# Altium PCB ADCS_PCB.PcbDoc (part 1 of 2) (continued)
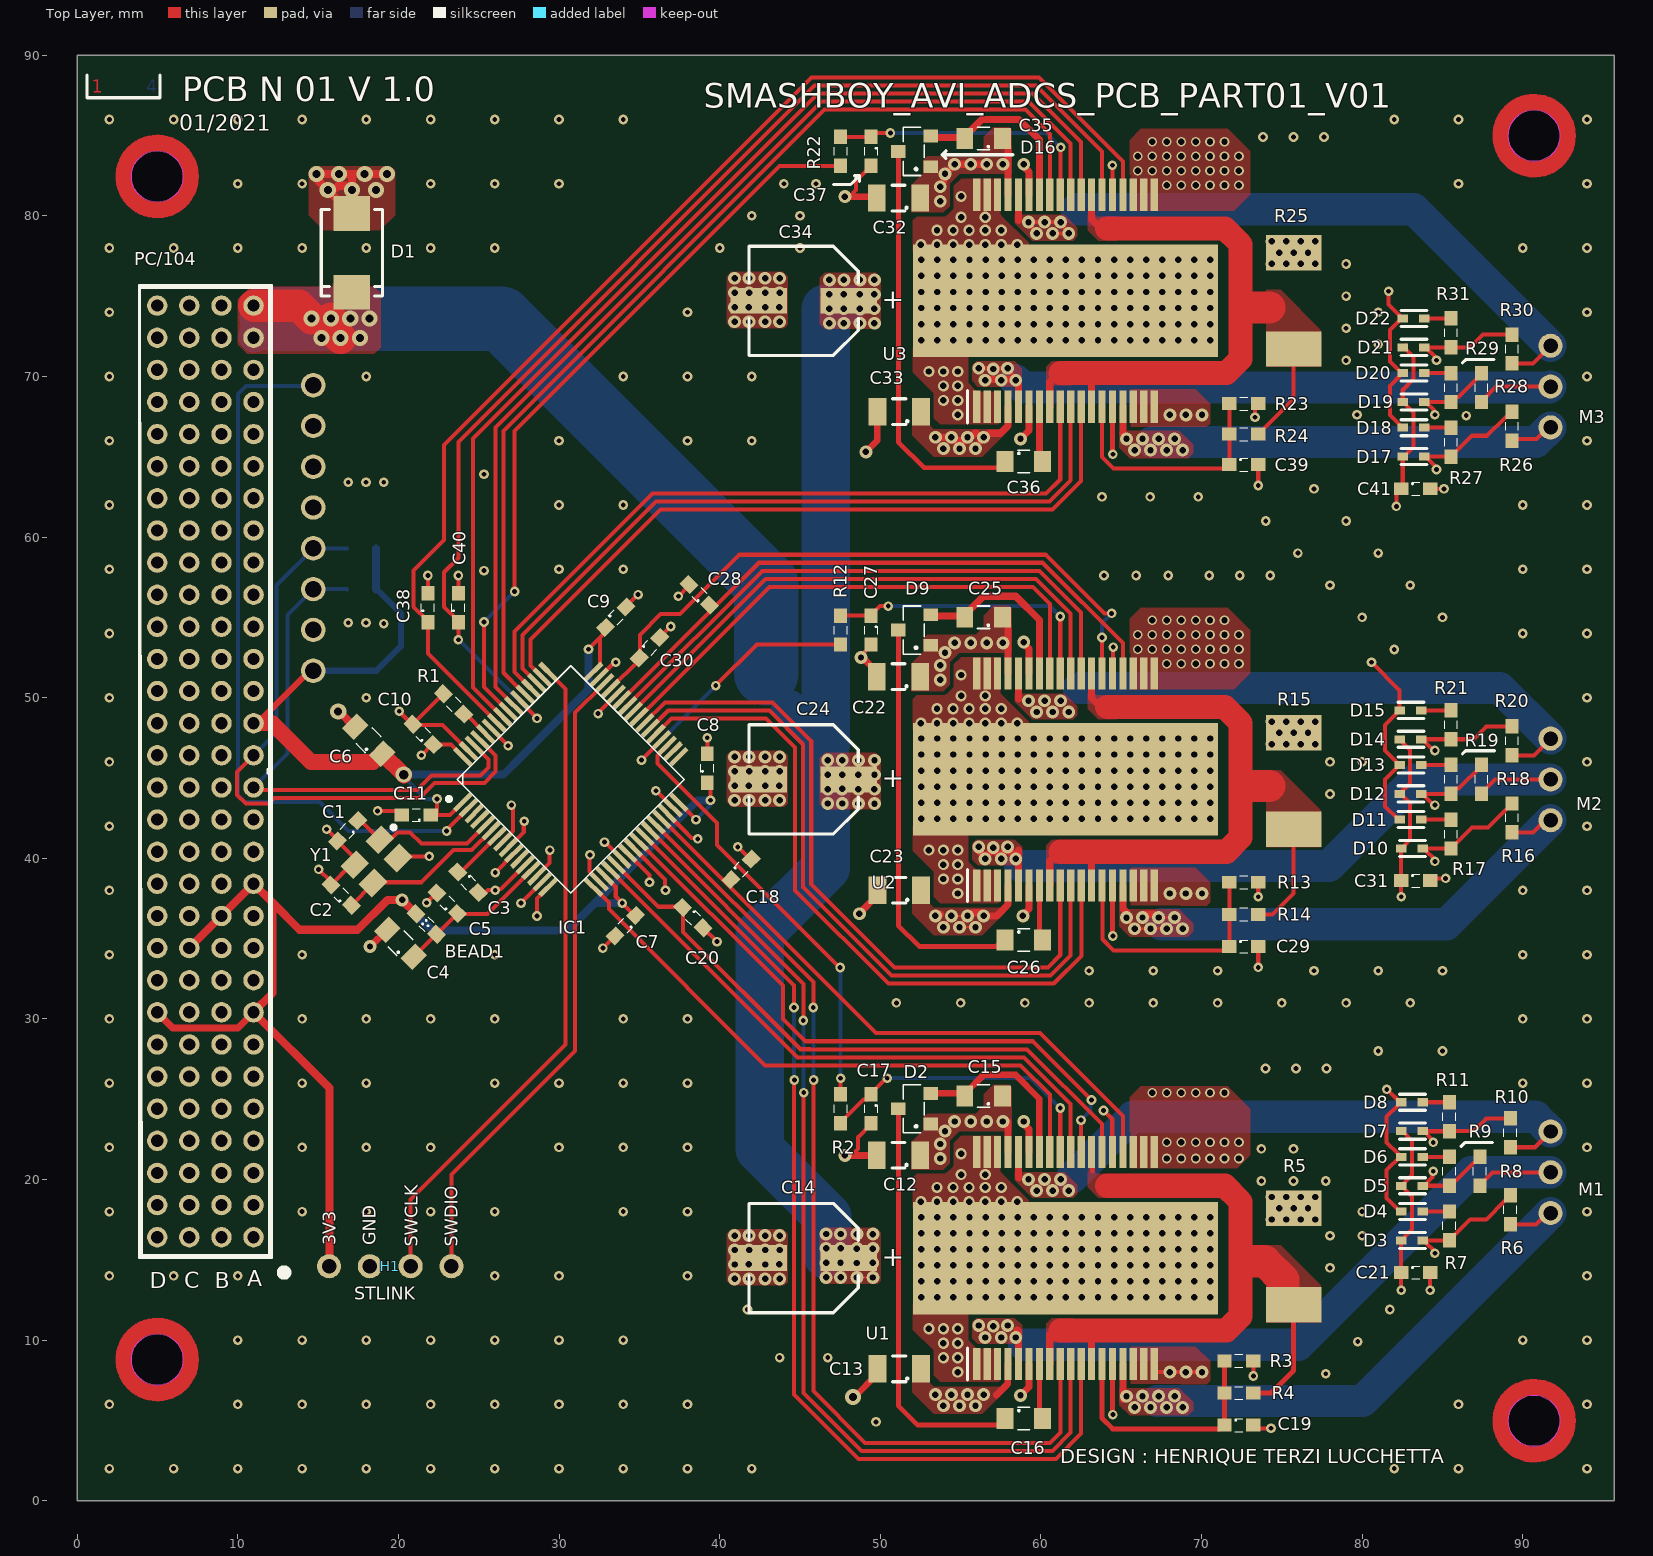
[diagram p0: Top Layer view]
## Footprints (in the part's own frame and the unit in brackets; to place one, negate y for a bottom-side part, rotate by r counter-clockwise, add the part's x,y. Pads: shape width x height; smd on the part's side, far side on the other; paste and mask are expansions set on the pad)
1375799-1 [mm] "PC/104 120 Position  2mm"
  round 1.27 hole 0.762 mask+0: 1(6,0) 2(6,2) 3(6,4) 4(6,6) 5(6,8) 6(6,10) 7(6,12) 8(6,14) 9(6,16) 10(6,18) 11(6,20) 12(6,22) 13(6,24) 14(6,26) 15(6,28) 16(6,30) 17(6,32) 18(6,34) 19(6,36) 20(6,38) 21(6,40) 22(6,42) 23(6,44) 24(6,46) 25(6,48) 26(6,50) 27(6,52) 28(6,54) 29(6,56) 30(6,58) 31(4,0) 32(4,2) 33(4,4) 34(4,6) 35(4,8) 36(4,10) 37(4,12) 38(4,14) 39(4,16) 40(4,18) 41(4,20) 42(4,22) 43(4,24) 44(4,26) 45(4,28) 46(4,30) 47(4,32) 48(4,34) 49(4,36) 50(4,38) 51(4,40) 52(4,42) 53(4,44) 54(4,46) 55(4,48) 56(4,50) 57(4,52) 58(4,54) 59(4,56) 60(4,58) 61(2,0) 62(2,2) 63(2,4) 64(2,6) 65(2,8) 66(2,10) 67(2,12) 68(2,14) 69(2,16) 70(2,18) 71(2,20) 72(2,22) 73(2,24) 74(2,26) 75(2,28) 76(2,30) 77(2,32) 78(2,34) 79(2,36) 80(2,38) 81(2,40) 82(2,42) 83(2,44) 84(2,46) 85(2,48) 86(2,50) 87(2,52) 88(2,54) 89(2,56) 90(2,58) 91(0,0) 92(0,2) 93(0,4) 94(0,6) 95(0,8) 96(0,10) 97(0,12) 98(0,14) 99(0,16) 100(0,18) 101(0,20) 102(0,22) 103(0,24) 104(0,26) 105(0,28) 106(0,30) 107(0,32) 108(0,34) 109(0,36) 110(0,38) 111(0,40) 112(0,42) 113(0,44) 114(0,46) 115(0,48) 116(0,50) 117(0,52) 118(0,54) 119(0,56) 120(0,58)
  silkscreen extent -1.13,-2.4 8.1,59.28, body extent -1,-1.15 7.39,59.15, height 9.45
BNO055_M_TH [mil] "Module Board"
  round 60 hole 40: 1(0,0) 2(100,0) 3(200,0) 4(300,0) 5(400,0) 6(500,0) 7(600,0) 8(700,0)
  silkscreen extent -52,-47 752,425, body extent -52,-49 752,425, height 208
CAP0603_040 [mm]
  rect 0.9x0.8 smd: 1(-0.9,0) 2(0.9,0)
  silkscreen extent -0.25,-0.4 0.25,0.4, body extent -0.8,-0.4 0.8,0.4, height 0.4
CAP0603_060 [mm]
  rect 0.9x0.8 smd: 1(-0.9,0) 2(0.9,0)
  silkscreen extent -0.25,-0.4 0.25,0.4, body extent -0.8,-0.4 0.8,0.4, height 0.6
CAP0603_090 [mm]
  rect 0.9x0.8 smd: 1(-0.9,0) 2(0.9,0)
  silkscreen extent -0.25,-0.4 0.25,0.4, body extent -0.8,-0.4 0.8,0.4, height 0.9
CAP0805_085 [mm]
  rect 1.05x1.3 smd: 1(-1.175,0) 2(1.175,0)
  silkscreen extent -0.38,-0.7 0.38,0.7, body extent -1,-0.62 1,0.63, height 0.85
CAP0805_125 [mm]
  rect 1.05x1.3 smd: 1(-1.175,0) 2(1.175,0)
  silkscreen extent -0.38,-0.7 0.38,0.7, body extent -1,-0.62 1,0.63, height 1.25
CAP1206_090 [mm]
  rect 1.1x1.7 smd: 1(-1.35,0) 2(1.35,0)
  silkscreen extent -0.57,-0.8 0.4,0.8, body extent -1.6,-0.8 1.6,0.8, height 0.9
DO-214AA [mm]
  rect 2.16x2.26 smd: 1(2.45,0) 2(-2.45,0)
  silkscreen extent -2.7,-1.9 2.7,1.9, body extent -2.65,-1.85 2.65,1.85, height 2.2
Header-3P [mm]
  round 1.5 hole 0.9: 1(-2.54,0) 2(0,0) 3(2.54,0)
  body extent -3.81,-1.25 3.81,1.25, height 8.52
Header-4P-90 [mm]
  round 1.5 hole 0.9: 1(-3.81,0) 2(-1.27,0) 3(1.27,0) 4(3.81,0)
  body extent -5.08,-10 5.08,0.32, height 2.55
IND0603 [mm]
  rect 0.9x0.8 smd: 1(-0.9,0) 2(0.9,0)
  silkscreen extent -0.25,-0.4 0.25,0.4, body extent -0.87,-0.47 0.88,0.48, height 0.9
LQFP-64-10X10X5 [mm]
  rect 1.45x0.3 smd: 1(-5.75,3.75) 2(-5.75,3.25) 3(-5.75,2.75) 4(-5.75,2.25) 5(-5.75,1.75) 6(-5.75,1.25) 7(-5.75,0.75) 8(-5.75,0.25) 9(-5.75,-0.25) 10(-5.75,-0.75) 11(-5.75,-1.25) 12(-5.75,-1.75) 13(-5.75,-2.25) 14(-5.75,-2.75) 15(-5.75,-3.25) 16(-5.75,-3.75) 33(5.75,-3.75) 34(5.75,-3.25) 35(5.75,-2.75) 36(5.75,-2.25) 37(5.75,-1.75) 38(5.75,-1.25) 39(5.75,-0.75) 40(5.75,-0.25) 41(5.75,0.25) 42(5.75,0.75) 43(5.75,1.25) 44(5.75,1.75) 45(5.75,2.25) 46(5.75,2.75) 47(5.75,3.25) 48(5.75,3.75)
  rect 0.3x1.45 smd: 17(-3.75,-5.75) 18(-3.25,-5.75) 19(-2.75,-5.75) 20(-2.25,-5.75) 21(-1.75,-5.75) 22(-1.25,-5.75) 23(-0.75,-5.75) 24(-0.25,-5.75) 25(0.25,-5.75) 26(0.75,-5.75) 27(1.25,-5.75) 28(1.75,-5.75) 29(2.25,-5.75) 30(2.75,-5.75) 31(3.25,-5.75) 32(3.75,-5.75) 49(3.75,5.75) 50(3.25,5.75) 51(2.75,5.75) 52(2.25,5.75) 53(1.75,5.75) 54(1.25,5.75) 55(0.75,5.75) 56(0.25,5.75) 57(-0.25,5.75) 58(-0.75,5.75) 59(-1.25,5.75) 60(-1.75,5.75) 61(-2.25,5.75) 62(-2.75,5.75) 63(-3.25,5.75) 64(-3.75,5.75)
  silkscreen extent -6.35,-5 5,5, body extent -6,-6 6,6, height 1.6
RES0603 [mm]
  rect 0.9x0.8 smd: 1(-0.9,0) 2(0.9,0)
  silkscreen extent -0.25,-0.4 0.25,0.4, body extent -1.05,-0.4 1.05,0.4, height 0.5
RES2512 [mm]
  rect 2.2x3.45 smd: 1(-3,0) 2(3,0)
  body extent -3.2,-1.65 3.2,1.65, height 0.65
SOD-523 [mm]
  rect 0.65x0.5 smd: 1(0.65,0) 2(-0.7,0)
  silkscreen extent -0.8,-0.5 0.8,0.5, body extent -0.8,-0.4 0.8,0.4, height 0.7
SOP65P1420X360-37N [mm]
  rect 2x0.45 smd: 1(-6.6,5.525) 2(-6.6,4.875) 3(-6.6,4.225) 4(-6.6,3.575) 5(-6.6,2.925) 6(-6.6,2.275) 7(-6.6,1.625) 8(-6.6,0.975) 9(-6.6,0.325) 10(-6.6,-0.325) 11(-6.6,-0.975) 12(-6.6,-1.625) 13(-6.6,-2.275) 14(-6.6,-2.925) 15(-6.6,-3.575) 16(-6.6,-4.225) 17(-6.6,-4.875) 18(-6.6,-5.525) 19(6.6,-5.525) 20(6.6,-4.875) 21(6.6,-4.225) 22(6.6,-3.575) 23(6.6,-2.925) 24(6.6,-2.275) 25(6.6,-1.625) 26(6.6,-0.975) 27(6.6,-0.325) 28(6.6,0.325) 29(6.6,0.975) 30(6.6,1.625) 31(6.6,2.275) 32(6.6,2.925) 33(6.6,3.575) 34(6.6,4.225) 35(6.6,4.875) 36(6.6,5.525)
  rect 7x19 smd: 37(0,0)
  silkscreen extent -7.6,6.1 -5.6,6.1, body extent -7.03,-8.02 7.03,7.98, height 3.6
SOT-23 [mm]
  rect 0.9x0.8 smd: 1(-1,0.95) 2(-1,-0.95) 3(1,0)
  silkscreen extent -0.6,-1.5 0.7,1.5, body extent -1.3,-1.45 1.3,1.45, height 1
WCAP-ASLI_6.3x7.7 [mm] "Aluminium Electrolytic V-Chip SMT Capacitors, 6.3x7.7mm"
  rect 3.5x1.6 smd: 1(-2.8,0) 2(2.8,0)
  silkscreen extent -3.4,-3.4 3.4,3.4, body extent -3.65,-3.3 3.65,3.3, height 7.7
WE-XTAL_CFPX-180 [mm] "Quartz Crystal, size CFPX-180, body 3.4x2.7mm"
  rect 1.4x1.15 smd: 1(-1.1,-0.8) 2(1.1,-0.8) 3(1.1,0.8) 4(-1.1,0.8)
  silkscreen extent -2.37,-0.87 -2.13,-0.63, body extent -1.7,-1.35 1.7,1.35, height 0.65

## Part data
BEAD1: library part IND0603, "Indutor SDM 0603"
C1 C2 C3 C5 C7 C8 C9 C10 C11 C17 C18 C19 C20 C21 C27 C28 C29 C30 C31 C37 C38 C39 C40 C41: library part CAP0603, "Capacitor SDM 0603"
C4 C6 C15 C16 C25 C26 C35 C36: library part CAP0805, "Capacitor SDM 0805"
C12 C13 C22 C23 C32 C33: library part CAP1206, "Capacitor SDM 1206"
C14 C24 C34: library part 865080545012, "WCAP-ASLI Aluminum Electrolytic Capacitor, V-Chip, SMT, D6.3xH7.7mm, 100uF, 35V", Capacitance=100uF, Capacitance Tolerance=+/-20%, Leakage Current=35uA, Manufacturer="Wurth Elektronik", Operating Temperature="-55 to +105degC", Rated Voltage=35VDC, Ripple Current=300mA, ComponentLink1Description=Manufacturer, ComponentLink1URL=http://www.we-online.de, ComponentLink2Description=Datasheet, ComponentLink2URL=https://www.we-online.com/catalog/datasheet/865080545012.pdf, Diameter=6.3mm, Dissipation Factor=14%, Endurance=2000h, Height=7.7mm, Manufacturer Part Number=865080545012, Mounting Technology=SMT, Packaging="Tape and Reel", Published Date="May 2020", Technical Reference=ASED077101M035DVCTCB000
D1: "The SMBJ series is designed specifically to protect / sensitive electronic equipment from voltage transients / induced by lightning and other transient voltage events."
D2 D9 D16: library part SMBD7000, "Silicon Switching Diode Array. / For high-speed switching applications."
D3 D4 D5 D6 D7 D8 D10 D11 D12 D13 D14 D15 D17 D18 D19 D20 D21 D22: library part BAT30, "The BAT30 series uses 30 V Schottky barrier / diodes encapsulated in SOD-523 or SOT-323 / packages. / This device is specially suited for switching mode / applications needing low forward voltage drop / diodes."
H1: library part Header-4P, "Header 4 Pinos"
IC1: library part STM32F302R, "Mainstream Mixed signals MCUs Arm Cortex-M4 core with DSP and FPU, 128 Kbytes of Flash memory, 72 MHz CPU, MPU, CCM, 12-bit ADC 5 MSPS, PGA, comparators"
M1 M2 M3: library part Header-3P, "Header 3 Pinos"
PC/104: "AMPMODU PC/104, PC/104 Connectors, Board-to-Board, 120 Position, 2mm [.079in] Centerline, Printed Circuit Board, 3A Contact Current Rating (Max)"
R1 R2 R3 R4 R6 R7 R8 R9 R10 R11 R12 R13 R14 R16 R17 R18 R19 R20 R21 R22 R23 R24 R26 R27 R28 R29 R30 R31 R32 R33: library part RES0603, "Resistor SMD 0603"
R5 R15 R25: library part RES2512
U1 U2 U3: library part L6230, "DMOS driver for three-phase brushless DC motor"
U4: library part BNO055_M, "Smart sensor combining accelerometer, gyroscope, magnetometer and orientation software. Euler angles, quaternion, rotation vector, etc."
Y1: library part 830100965009, "WE-XTAL Quartz Crystal, SMT, CFPX-180, 16MHz, +/-10ppm", Frequency=16MHz, Frequency Stability=+/-20ppm, Frequency Tolerance=+/-10ppm, Load Capacitance=16pF, Manufacturer="Wurth Elektronik", Operating Temperature="-40 to +85degC", ComponentLink1Description=Manufacturer, ComponentLink1URL=http://www.we-online.de, ComponentLink2Description=Datasheet, ComponentLink2URL=https://katalog.we-online.com/pbs/datasheet/830100965009.pdf, Manufacturer Part Number=830100965009, Mounting Technology=SMT, Packaging="Tape and Reel", Published Date="July 2020", Size=CFPX-180

## Via types
v1: diameter 0.7, hole 0.4, Top Layer to Bottom Layer, tented both sides, 411 vias
v2: diameter 0.6, hole 0.3, Top Layer to Bottom Layer, tented both sides, 320 vias
v3: diameter 0.8, hole 0.4, Top Layer to Bottom Layer, tented both sides, 253 vias
v4: diameter 0.6, hole 0.4, Top Layer to Bottom Layer, tented both sides, 74 vias
v5: diameter 1, hole 0.5, Top Layer to Bottom Layer, tented both sides, 16 vias
v6: diameter 1, hole 0.6, Top Layer to Bottom Layer, tented both sides, 1 vias

## Nets (pads, with @x,y where several pads share a name; then routed paths per layer and width w, separated by ;. In a path a pad name is that pad's centre, name@x,y a point inside that pad or via, vN(x,y) a via of type N, cw(c..) or ccw(c..) an arc to the next point about the centre after c; other vN are vias at no path point)
3V3: BEAD1.2 C6.1 C7.1 C8.1 C9.1 C10.1 C11.1 C21.1 C31.1 C41.1 D3.2 D5.2 D7.2 D10.2 D12.2 D14.2 D17.2 D19.2 D21.2 H1.1 IC1.1 IC1.19 IC1.32 IC1.48 IC1.64 PC/104.8 PC/104.12 PC/104.17 PC/104.41 PC/104.45 PC/104.70 PC/104.74 PC/104.98 PC/104.103 PC/104.107 R3.2 R13.2 R23.2 R32.2 R33.2 U4.1 | length 372.9
  Top Layer w0.254: PC/104.17@11,48.41 PC/104.17@11,48.43 ; H1.1@15.68,14.6 H1.1@15.7,14.62 ; v2(21.43,46.41) 22.094,47.074 C10.1@22.166,47.074 22.202,47.038 22.588,47.038 22.623,47.074 23.263,47.074 IC1.64@24.012,46.324 ; C11.1@22,42.7 C11.1@22.4,42.7 ; v2(22.4,43.7) C11.1@22.4,42.7 ; IC1.1@23.9,43.383 23.217,42.7 C11.1@22.4,42.7 ; v2(31.83,53.01) 31.83,53.031 32.551,53.752 ; IC1.48@32.144,51.628 32.551,52.034 32.551,53.752 ; IC1.19@32.851,38.9 32.851,38.889 33.53,38.21 33.53,37.61 v2(33.93,37.21) 34.694,36.446 C7.1@34.766,36.446 ; C9.1@32.858,54.482 32.858,54.059 32.551,53.752 ; IC1.32@37.448,43.496 37.448,43.494 38.53,42.412 v2(38.53,42.41) ; C8.1@39.23,44.71 39.23,44.587 39.43,44.387 v2(39.43,43.61) ; v2(73.23,7.764) R3.2@73.23,8.71 ; R13.2@73.33,38.71 R13.2@73.53,38.51 v2(73.53,37.61) ; v2(73.33,67.464) 73.33,68.11 R23.2@73.53,68.31 ; v2(82.13,61.91) 82.13,62.737 82.403,63.01 C41.1@82.43,63.01 82.53,63.11 D17.2@82.53,65.01 82.605,65.01 83.197,65.602 83.197,67.743 82.728,68.212 82.728,68.287 82.605,68.41 D19.2@82.53,68.41 82.53,69.173 83.205,69.848 83.205,71.21 D21.2@82.605,71.81 ; D12.2@82.33,44.01 D12.2@82.405,44.01 ; D14.2@82.33,47.41 D14.2@82.405,47.41 ; v2(82.43,13.11) C21.1@82.43,14.21 D3.2@82.43,16.21 82.505,16.21 82.628,16.333 82.628,16.408 83.106,16.886 83.106,18.934 82.628,19.412 82.628,19.487 D5.2@82.505,19.61 ; D5.2@82.43,19.61 D5.2@82.505,19.61 ; v2(82.43,37.61) C31.1@82.43,38.61 ; C31.1@82.43,38.71 D10.2@82.43,40.61 82.505,40.61 82.628,40.733 82.628,40.808 82.982,41.162 82.982,43.433 D12.2@82.405,44.01 ; D14.2@82.528,47.533 D14.2@82.405,47.41 ; D7.2@82.53,23.035 82.53,22.985 83.107,22.408 83.107,20.287 82.628,19.808 82.628,19.733 D5.2@82.505,19.61 ; D21.2@82.728,71.933 D21.2@82.605,71.81 ; D12.2@82.405,44.01 82.528,44.133 82.528,44.208 82.982,44.662 82.982,46.758 82.799,46.941 82.528,47.212 82.528,47.287 D14.2@82.405,47.41 ; D21.2@82.605,71.81 D21.2@82.53,71.81 D21.2@82.605,71.81
  Top Layer w0.381: PC/104.17@10.98,48.41 11,48.41 11.205,48.41 14.475,51.68 U4.1@14.7,51.68
  Top Layer w0.45: PC/104.98@4.98,30.41 5.95,29.44 10.01,29.44 PC/104.8@10.98,30.41 PC/104.8@10.98,30.43 ; C6.1@18.981,46.519 C6.1@19.001,46.519 ; v6@20.35,45.1 v6@20.35,45.17
  Top Layer w0.5: PC/104.70@6.98,34.41 PC/104.12@10.98,38.41 12.15,37.24 ; PC/104.8@10.98,30.41 15.7,25.69 H1.1@15.7,14.62 ; PC/104.8@10.98,30.43 12.15,31.6 12.15,37.24 ; BEAD1.2@21.094,36.546 v3(20.23,37.41) 19.31,37.41 17.45,35.55 13.84,35.55 12.15,37.24
  Top Layer w1: PC/104.17@11.205,48.41 12.14,48.41 14.55,46 18.426,46 18.945,46.519 C6.1@18.981,46.519 ; C6.1@19.001,46.519 v6@20.35,45.17
  Int2 (PWR) w0.5: v6(20.33,45.21) v6@20.33,45.283 ; v2@21.43,46.383 v2(21.43,46.41)
  Int2 (PWR) w0.8: v6@20.33,45.283 v2@21.43,46.383
  Int2 (PWR) w1: PC/104.12@10.98,38.41 11.053,38.41 12.6,39.957 12.6,46.79 PC/104.17@10.98,48.41 ; v2(73.23,7.764) 77.357,3.637 ; v2(73.33,67.464) 76.576,67.464 v2(82.13,61.91) 87.43,56.61 ; v2(73.53,37.61) v2(82.43,37.61) 86.43,37.61 ; 77.584,3.41 77.63,3.41 ; v2(82.43,13.11) 84.93,10.61
  Int2 (PWR) w2: v6@20.23,45.11 v3(20.23,37.41) 20.23,28.71 46.03,2.91 77.23,2.91 87.43,13.11 87.43,55.81
  Bottom Layer w0.254: v6(20.33,45.21) 20.338,45.202 20.338,45.053 21.69,43.7 v2(22.4,43.7) ; v2(38.53,42.41) 39.364,43.244 39.364,43.544 v2(39.43,43.61)
  Bottom Layer w0.381: U4.1@14.7,51.68 18.63,51.68 20.15,53.2 20.15,55.25 18.65,56.75 R33.2@18.6,56.75
  Bottom Layer w0.5: R33.2@18.6,56.75 R32.2@18.6,59.3 ; v3(20.23,37.41) 22.13,35.51 30.53,35.51 32.23,37.21 ; v6@20.338,45.202 26.522,45.202 27.63,46.31 31.83,50.51 v2(31.83,53.01) ; v2@33.884,37.21 32.23,37.21 ; v2(39.43,43.61) 38.63,43.61 32.23,37.21
12V: C12.1 C13.1 C14.2 C15.1 C22.1 C23.1 C24.2 C25.1 C32.1 C33.1 C34.2 C35.1 D1.2 D2.1 D9.1 D16.1 PC/104.29 PC/104.30 U1.4 U1.33 U2.4 U2.33 U3.4 U3.33 | length 235.3
  Top Layer w0.127: C24.2@46.302,45 46.343,45 46.512,45.168 C24.2@46.512,45.21 ; C34.2@46.302,74.9 46.343,74.9 46.512,75.068 C34.2@46.512,75.11 ; C14.2@46.312,15.668 C14.2@46.312,15.71 ; v3(46.63,14.81) C14.2@46.93,15.11 ; C24.2@46.83,44.31 C24.2@47.13,44.61 ; v3(46.83,74.21) C34.2@47.13,74.51 ; C14.2@46.921,15.119 C14.2@46.93,15.11 ; C24.2@47.121,44.619 C24.2@47.13,44.61 ; C34.2@47.121,74.519 C34.2@47.13,74.51 ; C14.2@47.221,14.819 47.13,14.91 C14.2@46.93,15.11 ; C24.2@47.421,44.319 C24.2@47.13,44.61 ; C34.2@47.421,74.219 C34.2@47.13,74.51 ; v3(47.53,15.71) 47.23,15.41 C14.2@46.93,15.11 ; C24.2@47.73,45.21 C24.2@47.13,44.61 ; v3(47.73,75.11) C34.2@47.13,74.51 ; C14.2@48.03,15.11 48.339,14.801 v3(48.539,14.801) ; C14.2@48.111,15.491 48.23,15.61 48.448,15.61 v3(48.539,15.701) ; C14.2@48.33,15.11 48.73,15.11 48.83,15.21 49.048,15.21 v3(49.539,15.701) ; C24.2@48.421,44.619 48.73,44.31 C24.2@49.03,44.61 ; C34.2@48.421,74.519 v3(48.73,74.21) C34.2@49.03,74.51 ; v3(48.539,13.901) v3(49.539,13.901) ; C14.2@48.93,15.11 C14.2@49.23,14.81 ; C24.2@49.021,44.619 C24.2@49.03,44.61 ; C34.2@49.021,74.519 C34.2@49.03,74.51 ; C24.2@49.321,44.319 C24.2@49.03,44.61 ; C34.2@49.321,74.219 C34.2@49.03,74.51 ; C24.2@49.63,45.21 C24.2@49.03,44.61 ; v3(49.63,75.11) C34.2@49.03,74.51 ; v3(53.93,35.71) 53.93,35.81 54.38,36.26 54.43,36.26 v3(54.43,36.41) ; v3@54.455,36.235 54.63,36.41 v3(55.43,36.41) 55.43,36.31 54.93,35.81 v3(54.93,35.71) v3(55.93,35.71)
  Top Layer w0.308: C24.2@46.43,45.21 46.512,45.21 v3(46.73,45.21) 47.73,45.21 47.73,44.328 47.712,44.31 C24.2@47.421,44.31 ; C34.2@46.43,75.11 46.512,75.11 v3(46.83,75.11) v3(47.73,75.11) 47.73,74.228 v3(47.721,74.219) 47.712,74.21 C34.2@47.421,74.21 ; v3(46.63,15.71) C14.2@46.93,15.71 ; C14.2@47.221,14.81 47.512,14.81 v3(47.521,14.819) 47.53,14.828 C14.2@47.53,15.21 ; v3(48.539,14.801) 49.521,14.801 v3(49.53,14.81) 49.539,14.819 v3(49.539,15.701) v3(48.539,15.701) 48.239,15.701 48.23,15.71 v3(47.53,15.71) ; C24.2@48.63,45.21 48.73,45.21 49.63,45.21 49.63,44.328 49.612,44.31 C24.2@49.321,44.31 ; C34.2@48.63,75.11 v3(48.73,75.11) v3(49.63,75.11) 49.63,74.228 v3(49.621,74.219) 49.612,74.21 C34.2@49.321,74.21 ; C14.2@48.93,15.11 48.83,15.21 C14.2@48.03,15.21 ; C14.2@46.93,15.71 47.23,15.41 C14.2@47.43,15.21 ; C14.2@46.93,15.71 v3(47.53,15.71) ; C14.2@47.43,15.21 C14.2@47.53,15.21 ; C14.2@47.43,15.21 47.13,14.91 46.93,14.71 47.53,14.71 C14.2@48.03,15.21 ; C14.2@47.53,15.21 C14.2@48.03,15.21 ; C14.2@47.53,15.21 v3(47.53,15.71)
  Top Layer w0.42: 57.226,6.583 57.94,7.297 57.94,8.495 U1.4@57.955,8.51
  Top Layer w0.45: v3(53.43,36.41) 53.497,36.477 53.697,36.477 v3@53.73,36.51 ; v3(53.43,66.21) v3(54.43,66.21) ; v3(53.73,81.81) 53.73,81.905 53.963,82.138 53.963,82.543 v3(54.03,82.61) 54.535,83.115 54.535,83.21 v3(54.63,83.21) v3(55.63,83.21) v3(56.63,83.21) ; v3@54.38,66.06 54.43,66.01 55.425,66.01 55.877,66.463 55.977,66.463 ; v3(55.43,36.41) 55.525,36.41 55.725,36.61 v3@56.33,36.61 ; v3@56.23,66.01 56.325,66.01 56.782,66.467 57.488,66.467 57.955,66.934 U3.4@57.955,68.11 ; v3(56.43,36.41) 57.243,36.41 57.955,37.122 U2.4@57.955,38.31 ; v3@57.43,83.21 v3(57.63,83.21) ; C35.1@57.53,84.71 57.58,84.71 57.955,84.335 U3.33@57.955,81.31 ; C25.1@57.605,55.01 57.605,54.885 57.955,54.535 U2.33@57.955,51.51 ; U1.33@57.955,21.71 v3@57.955,23.61
  Top Layer w2: PC/104.30@11,74.4 13.8,74.4 v5(14.6,73.6) ; v5(15.8,73.6) 15.8,73 v5(16.4,72.4)
  Int2 (PWR) w0.254: 52.73,81.41 53.23,81.41 v3(53.73,80.91)
  Int2 (PWR) w2: v3@49.33,45.201 v3@49.33,46.101 ; 52.03,81.41 52.73,81.41 ; 52.429,52.008 52.83,52.008
  Int2 (PWR) w4: v3@49.33,45.201 49.33,39.61 52.53,36.41 ; v3@49.33,46.101 49.33,48.909 52.429,52.008 ; 52.03,81.41 49.271,78.651 49.271,69.469 52.53,66.21 ; 52.26,22.04 49.114,18.894 49.114,10.009 52.513,6.61
  Bottom Layer w2: PC/104.29@11,72.5 12.1,73.6 ; PC/104.30@11,74.4 11.8,73.6 ; v3(46.73,46.11) 46.73,46.97 ; 48.2,74.3 48.2,74.7
  Bottom Layer w2.2: 44.3,49.4 46.6,47.1 46.73,46.97
  Bottom Layer w3: v3@46.6,46.11 46.6,39.4 42.5,35.3 42.5,21.9 46.7,17.7 46.7,15.3 ; 46.6,47.1 v3@46.6,74.21
  Bottom Layer w4: 12.1,73.6 14,73.6 ; v5@14.65,73.6 v5(15.8,73.6) ; v5(17,73.6) 26.4,73.6 42.9,57.1 42.9,51.5
  other v3: 53.93,5.91 54.93,5.91 55.93,5.91 53.43,6.61 54.43,6.61 55.43,6.61 56.43,6.61 46.63,13.91 47.53,13.91 46.63,16.61 47.53,16.61 48.539,16.601 49.539,16.601 53.73,21.31 53.73,22.21 54.03,23.01 54.63,23.61 55.63,23.61 56.63,23.61 57.63,23.61 46.73,43.41 47.63,43.41 48.639,43.401 49.639,43.401 48.639,44.301 46.73,44.31 47.621,44.319 49.63,44.31 47.63,45.21 48.639,45.201 49.639,45.201 48.639,46.101 49.639,46.101 47.63,46.11 53.73,51.11 53.73,52.01 54.03,52.81 54.63,53.41 55.63,53.41 56.63,53.41 57.63,53.41 53.93,65.51 54.93,65.51 55.93,65.51 55.43,66.21 56.43,66.21 46.83,73.31 47.73,73.31 48.73,73.31 49.63,73.31 46.83,76.01 47.73,76.01 48.73,76.01 49.63,76.01
  other v5: 15.2,72.4 17.6,72.4 18.2,73.6
GND: C1.2 C2.2 C3.2 C4.2 C5.2 C6.2 C7.2 C8.2 C9.2 C10.2 C11.2 C12.2 C13.2 C14.1 C17.2 C18.2 C19.2 C20.2 C21.2 C22.2 C23.2 C24.1 C27.2 C28.2 C29.2 C30.2 C31.2 C32.2 C33.2 C34.1 C37.2 C38.2 C39.2 C40.2 C41.2 D1.1 H1.2 IC1.12 IC1.18 IC1.31 IC1.47 IC1.63 PC/104.1 PC/104.5 PC/104.10 PC/104.14 PC/104.20 PC/104.24 PC/104.28 PC/104.33 PC/104.39 PC/104.43 PC/104.48 PC/104.53 PC/104.64 PC/104.67 PC/104.72 PC/104.76 PC/104.82 PC/104.86 PC/104.95 PC/104.101 PC/104.105 PC/104.110 PC/104.115 PC/104.117 R1.2 R5.1 R15.1 R25.1 U1.1 U1.2 U1.3 U1.6 U1.14 U1.16 U1.17 U1.18 U1.19 U1.20 U1.21 U1.23 U1.31 U1.34 U1.35 U1.36 U1.37 U2.1 U2.2 U2.3 U2.6 U2.14 U2.16 U2.17 U2.18 U2.19 U2.20 U2.21 U2.23 U2.31 U2.34 U2.35 U2.36 U2.37 U3.1 U3.2 U3.3 U3.6 U3.14 U3.16 U3.17 U3.18 U3.19 U3.20 U3.21 U3.23 U3.31 U3.34 U3.35 U3.36 U3.37 U4.2 U4.5 Y1.2 Y1.4 | length 184.3
  Top Layer w0.127: v3@40.612,15.568 v3@40.612,15.61 ; v3@40.612,45.368 v3@40.612,45.41 ; v3@40.612,75.168 v3@40.612,75.21 ; v3(74.38,17.51) R5.1@74.98,17.51 ; v3(74.38,18.91) v3(75.28,18.91) R5.1@75.53,18.91 ; v3(74.38,47.11) 75.03,47.11 v3(75.73,47.81) ; v3(74.38,77.01) 75.03,77.01 v3(75.73,77.71) ; R5.1@75.03,17.51 v3(75.73,18.21) ; v3(75.28,17.51) R5.1@75.73,17.96 ; v3(75.28,47.11) 75.73,47.56 v3(76.18,47.11) ; v3(75.28,48.51) v3(74.38,48.51) R15.1@74.955,47.935 ; v3(75.28,77.01) 75.73,77.46 v3(76.18,77.01) ; v3(75.28,78.41) v3(74.38,78.41) R25.1@74.955,77.835 ; v3(76.63,47.81) R15.1@76.38,47.81 ; R5.1@76.78,17.51 v3(76.18,17.51) R5.1@75.73,17.96 ; R15.1@76.78,47.11 v3(76.18,47.11) ; R25.1@76.78,77.01 v3(76.18,77.01) ; v3(77.08,17.51) 77.03,17.51 R5.1@76.33,18.21 ; v3(77.08,18.91) v3(76.18,18.91) ; v3(77.08,47.11) R15.1@76.38,47.81 ; v3(77.08,48.51) R15.1@76.43,48.51 ; v3(77.08,77.01) 77.03,77.01 76.33,77.71 v3(75.73,77.71) ; v3(77.08,78.41) R25.1@76.43,78.41 ; R15.1@74.955,47.935 R15.1@75.28,48.26 ; R15.1@74.955,47.935 R15.1@75.08,47.81 ; R15.1@74.955,47.935 v3(74.83,47.81) R15.1@75.08,47.81 ; R25.1@74.955,77.835 R25.1@75.08,77.71 ; R25.1@74.955,77.835 R25.1@75.28,78.16 ; R25.1@74.955,77.835 v3(74.83,77.71) R25.1@75.08,77.71 ; R15.1@75.08,47.81 v3(75.73,47.81) ; R25.1@75.08,77.71 v3(75.73,77.71) ; R15.1@75.28,48.26 v3(75.73,47.81) ; R15.1@75.28,48.26 75.53,48.51 v3(76.18,48.51) ; R25.1@75.28,78.16 75.53,78.41 v3(76.18,78.41) ; R25.1@75.28,78.16 v3(75.73,77.71) ; R5.1@75.53,18.91 v3(74.83,18.21) v3(75.73,18.21) ; R5.1@75.53,18.91 v3(76.18,18.91) ; R5.1@75.73,17.96 v3(75.73,18.21) ; v3(75.73,18.21) 75.73,18.46 v3(76.18,18.91) ; v3(75.73,18.21) R5.1@76.33,18.21 ; v3(75.73,18.21) v3(76.63,18.21) R5.1@76.33,18.21 ; v3(75.73,47.81) R15.1@76.43,48.51 ; v3(75.73,47.81) 76.18,47.36 v3(76.18,47.11) ; v3(75.73,47.81) R15.1@76.38,47.81 ; v3(75.73,47.81) 75.73,48.06 v3(76.18,48.51) ; v3(75.73,77.71) R25.1@76.43,78.41 ; v3(75.73,77.71) 75.73,77.96 v3(76.18,78.41) ; v3(75.73,77.71) 76.18,77.26 v3(76.18,77.01) ; v3(76.18,48.51) R15.1@76.43,48.51 ; v3(76.18,78.41) R25.1@76.43,78.41
  Top Layer w0.254: v2(15.03,39.31) 15.794,38.546 C2.2@15.794,38.346 17.045,39.598 Y1.2@17.286,39.598 17.286,39.981 C1.2@16.194,41.074 16.194,41.146 v2(15.53,41.81) ; v2(18.7,42.95) 19.95,42.95 C11.2@20.2,42.7 ; Y1.4@19.974,40.022 20.062,40.111 21.915,40.111 v2(21.922,40.118) ; v2(20.05,49.15) 20.854,48.346 C10.2@20.894,48.346 C10.2@20.929,48.311 ; v2@21.73,37.21 22.366,37.846 C5.2@22.394,37.846 ; C38.2@21.83,56.51 v2(21.83,57.61) ; R1.2@22.794,50.246 20.929,48.382 C10.2@20.929,48.311 ; C40.2@23.73,56.51 v2(23.73,57.61) ; IC1.63@24.366,46.678 22.733,48.311 C10.2@20.929,48.311 ; C3.2@24.966,37.874 25.002,37.838 25.388,37.838 25.567,38.018 26.022,38.018 v2(26.03,38.01) ; v2(26.03,38.01) 26.096,38.076 26.371,38.076 IC1.12@27.902,39.607 ; v2(31.93,40.21) 31.906,40.186 31.906,39.171 32.498,38.578 IC1.18@32.498,38.546 ; IC1.47@32.498,51.274 32.53,51.274 33.466,52.21 v2(33.53,52.21) ; v2(32.73,34.41) C7.2@33.494,35.174 ; C9.2@34.166,55.646 34.166,55.662 v2(34.922,56.418) ; v2(36.03,44.21) 36.03,44.208 IC1.31@37.094,43.142 IC1.31@37.094,43.142 ; C30.2@36.266,53.746 v2(36.952,54.432) ; v2(37.43,56.31) 38.094,56.974 C28.2@38.094,57.046 ; C20.2@38.966,35.674 v2(39.83,34.81) ; C8.2@39.23,46.51 v2(39.23,47.51) ; v2(41.13,40.71) 41.894,39.946 C18.2@41.966,39.946 ; v3@48.1,81.2 48.5,81.6 48.5,82.18 C37.2@49.43,83.11 ; v3@48.2,21.5 48.6,21.9 48.6,22.63 49.43,23.46 C17.2@49.43,23.51 ; v3(48.8,52.5) 48.8,52.63 49.43,53.26 C27.2@49.43,53.31 ; U1.37@61.655,15.36 U1.37@67.855,15.36 ; U2.37@61.655,45.16 U2.37@67.855,45.16 ; U3.37@61.655,74.96 U3.37@67.855,74.96 ; v2(63.9,24.3) 64.442,23.758 64.442,21.722 U1.23@64.455,21.71 ; v2(64.45,83.15) 64.453,83.147 64.453,81.312 U3.23@64.455,81.31 ; U2.23@64.455,51.51 64.477,51.532 64.477,53.127 v2(64.5,53.15) ; U1.18@67.055,8.51 67.055,8.108 67.153,8.01 v3(68.03,8.01) v3(69.03,8.01) v3(70.03,8.01) ; v1(69.555,13.66) U1.37@67.855,15.36 ; v1(69.555,43.46) U2.37@67.855,45.16 ; v1(69.555,73.26) U3.37@67.855,74.96 ; v1(70.555,13.66) 68.855,15.36 U1.37@67.855,15.36 ; v1(70.555,43.46) 68.855,45.16 U2.37@67.855,45.16 ; v1(70.555,73.26) 68.855,74.96 U3.37@67.855,74.96 ; C19.2@73.23,4.71 73.43,4.51 v2(74.33,4.51) ; v2(73.53,33.21) C29.2@73.53,34.51 ; v2(73.53,63.21) C39.2@73.53,64.51 ; v2(84.23,13.11) C21.2@84.23,14.21 ; C31.2@84.23,38.61 84.37,38.75 v2(85.2,38.75) ; C41.2@84.23,63.01 84.24,63 v2(85.1,63)
  Top Layer w0.3: U1.14@64.455,8.51 64.467,8.497 64.467,5.372 v2(64.48,5.36) ; U2.14@64.455,38.31 64.455,35.185 v2(64.48,35.16) ; U3.14@64.455,68.11 64.467,68.097 64.467,65.172 v2(64.48,65.16)
  Top Layer w0.4: v3(47.8,81.2) 48.1,81.2 49.69,81.2 C32.2@49.78,81.11 ; v5(48.3,6.45) 48.37,6.45 49.83,7.91 C13.2@49.83,8.21 ; v3(48.8,52.5) 48.89,52.5 49.78,51.61 C22.2@49.78,51.31 ; v3(49.1,65.3) 49.815,66.015 C33.2@49.815,68.075
  Top Layer w0.45: v3(18.23,34.51) 18.249,34.51 19.28,35.541 C4.2@19.299,35.541 ; v3(47.8,21.5) 48.2,21.5 49.77,21.5 C12.2@49.78,21.51 ; v3(48.7,36.55) 48.7,36.58 49.83,37.71 C23.2@49.83,38.01 ; v3(58.73,6.56) 59.255,7.085 U1.6@59.255,8.51 ; v3(58.73,66.11) 59.255,66.635 U3.6@59.255,68.11 ; v3(58.88,36.41) 58.88,36.46 59.255,36.835 U2.6@59.255,38.31 ; v3(58.93,23.61) 58.93,23.462 59.255,23.137 U1.31@59.255,21.71 ; v3(58.93,53.46) 58.93,53.365 59.255,53.04 U2.31@59.255,51.51 ; v3(58.93,83.21) 58.93,83.062 59.255,82.737 U3.31@59.255,81.31
  Top Layer w0.5: v5(16.25,49.15) 16.3,49.15 17.269,48.181 C6.2@17.319,48.181 ; D1.1@17.1,80.15 17.05,80.15 v5(15.6,81.6) ; v5(19.3,82.6) 17.1,82.6 ; v5(15.6,81.6) 14.996,82.204 14.996,82.504 v5(14.9,82.6) v5(16.3,82.6) 17.1,82.6 ; v5(15.6,81.6) 15.696,81.696 16.072,81.696 16.25,81.874 16.691,81.874 16.965,81.6 v5(17.1,81.6) 17.1,82.6
  other v1: 54.83,8.01 53.93,8.91 54.83,8.91 53.93,9.81 54.83,9.81 53.03,10.71 53.93,10.71 54.83,10.71 52.555,12.66 53.555,12.66 54.555,12.66 55.555,12.66 56.555,12.66 57.555,12.66 58.555,12.66 59.555,12.66 60.555,12.66 61.555,12.66 62.555,12.66 63.555,12.66 64.555,12.66 65.555,12.66 66.555,12.66 67.555,12.66 68.555,12.66 69.555,12.66 70.555,12.66 52.555,13.66 53.555,13.66 54.555,13.66 55.555,13.66 56.555,13.66 57.555,13.66 58.555,13.66 59.555,13.66 60.555,13.66 61.555,13.66 62.555,13.66 63.555,13.66 64.555,13.66 65.555,13.66 66.555,13.66 67.555,13.66 68.555,13.66 52.555,14.66 53.555,14.66 54.555,14.66 55.555,14.66 56.555,14.66 57.555,14.66 58.555,14.66 59.555,14.66 60.555,14.66 61.555,14.66 62.555,14.66 63.555,14.66 64.555,14.66 65.555,14.66 66.555,14.66 67.555,14.66 68.555,14.66 69.555,14.66 70.555,14.66 52.555,15.66 53.555,15.66 54.555,15.66 55.555,15.66 56.555,15.66 57.555,15.66 58.555,15.66 59.555,15.66 60.555,15.66 61.555,15.66 62.555,15.66 63.555,15.66 64.555,15.66 65.555,15.66 66.555,15.66 67.555,15.66 68.555,15.66 69.555,15.66 70.555,15.66 52.555,16.66 53.555,16.66 54.555,16.66 55.555,16.66 56.555,16.66 57.555,16.66 58.555,16.66 59.555,16.66 60.555,16.66 61.555,16.66 62.555,16.66 63.555,16.66 64.555,16.66 65.555,16.66 66.555,16.66 67.555,16.66 68.555,16.66 69.555,16.66 70.555,16.66 52.555,17.66 53.555,17.66 54.555,17.66 55.555,17.66 56.555,17.66 57.555,17.66 58.555,17.66 59.555,17.66 60.555,17.66 61.555,17.66 62.555,17.66 63.555,17.66 64.555,17.66 65.555,17.66 66.555,17.66 67.555,17.66 68.555,17.66 69.555,17.66 70.555,17.66 52.53,18.61 53.53,18.61 54.53,18.61 55.53,18.61 56.53,18.61 57.53,18.61 58.53,18.61 53.53,19.51 54.53,19.51 55.53,19.51 56.53,19.51 57.53,19.51 55.03,20.31 56.53,20.31 55.03,21.61 54.83,37.81 53.93,38.71 54.83,38.71 53.93,39.61 54.83,39.61 53.03,40.51 53.93,40.51 54.83,40.51 52.555,42.46 53.555,42.46 54.555,42.46 55.555,42.46 56.555,42.46 57.555,42.46 58.555,42.46 59.555,42.46 60.555,42.46 61.555,42.46 62.555,42.46 63.555,42.46 64.555,42.46 65.555,42.46 66.555,42.46 67.555,42.46 68.555,42.46 69.555,42.46 70.555,42.46 52.555,43.46 53.555,43.46 54.555,43.46 55.555,43.46 56.555,43.46 57.555,43.46 58.555,43.46 59.555,43.46 60.555,43.46 61.555,43.46 62.555,43.46 63.555,43.46 64.555,43.46 65.555,43.46 66.555,43.46 67.555,43.46 68.555,43.46 52.555,44.46 53.555,44.46 54.555,44.46 55.555,44.46 56.555,44.46 57.555,44.46 58.555,44.46 59.555,44.46 60.555,44.46 61.555,44.46 62.555,44.46 63.555,44.46 64.555,44.46 65.555,44.46 66.555,44.46 67.555,44.46 68.555,44.46 69.555,44.46 70.555,44.46 52.555,45.46 53.555,45.46 54.555,45.46 55.555,45.46 56.555,45.46 57.555,45.46 58.555,45.46 59.555,45.46 60.555,45.46 61.555,45.46 62.555,45.46 63.555,45.46 64.555,45.46 65.555,45.46 66.555,45.46 67.555,45.46 68.555,45.46 69.555,45.46 70.555,45.46 52.555,46.46 53.555,46.46 54.555,46.46 55.555,46.46 56.555,46.46 57.555,46.46 58.555,46.46 59.555,46.46 60.555,46.46 61.555,46.46 62.555,46.46 63.555,46.46 64.555,46.46 65.555,46.46 66.555,46.46 67.555,46.46 68.555,46.46 69.555,46.46 70.555,46.46 52.555,47.46 53.555,47.46 54.555,47.46 55.555,47.46 56.555,47.46 57.555,47.46 58.555,47.46 59.555,47.46 60.555,47.46 61.555,47.46 62.555,47.46 63.555,47.46 64.555,47.46 65.555,47.46 66.555,47.46 67.555,47.46 68.555,47.46 69.555,47.46 70.555,47.46 52.53,48.41 53.53,48.41 54.53,48.41 55.53,48.41 56.53,48.41 57.53,48.41 58.53,48.41 53.53,49.31 54.53,49.31 55.53,49.31 56.53,49.31 57.53,49.31 55.03,50.11 56.53,50.11 55.03,51.41 54.83,67.61 53.93,68.51 54.83,68.51 53.93,69.41 54.83,69.41 53.03,70.31 53.93,70.31 54.83,70.31 52.555,72.26 53.555,72.26 54.555,72.26 55.555,72.26 56.555,72.26 57.555,72.26 58.555,72.26 59.555,72.26 60.555,72.26 61.555,72.26 62.555,72.26 63.555,72.26 64.555,72.26 65.555,72.26 66.555,72.26 67.555,72.26 68.555,72.26 69.555,72.26 70.555,72.26 52.555,73.26 53.555,73.26 54.555,73.26 55.555,73.26 56.555,73.26 57.555,73.26 58.555,73.26 59.555,73.26 60.555,73.26 61.555,73.26 62.555,73.26 63.555,73.26 64.555,73.26 65.555,73.26 66.555,73.26 67.555,73.26 68.555,73.26 52.555,74.26 53.555,74.26 54.555,74.26 55.555,74.26 56.555,74.26 57.555,74.26 58.555,74.26 59.555,74.26 60.555,74.26 61.555,74.26 62.555,74.26 63.555,74.26 64.555,74.26 65.555,74.26 66.555,74.26 67.555,74.26 68.555,74.26 69.555,74.26 70.555,74.26 52.555,75.26 53.555,75.26 54.555,75.26 55.555,75.26 56.555,75.26 57.555,75.26 58.555,75.26 59.555,75.26 60.555,75.26 61.555,75.26 62.555,75.26 63.555,75.26 64.555,75.26 65.555,75.26 66.555,75.26 67.555,75.26 68.555,75.26 69.555,75.26 70.555,75.26 52.555,76.26 53.555,76.26 54.555,76.26 55.555,76.26 56.555,76.26 57.555,76.26 58.555,76.26 59.555,76.26 60.555,76.26 61.555,76.26 62.555,76.26 63.555,76.26 64.555,76.26 65.555,76.26 66.555,76.26 67.555,76.26 68.555,76.26 69.555,76.26 70.555,76.26 52.555,77.26 53.555,77.26 54.555,77.26 55.555,77.26 56.555,77.26 57.555,77.26 58.555,77.26 59.555,77.26 60.555,77.26 61.555,77.26 62.555,77.26 63.555,77.26 64.555,77.26 65.555,77.26 66.555,77.26 67.555,77.26 68.555,77.26 69.555,77.26 70.555,77.26 52.53,78.21 53.53,78.21 54.53,78.21 55.53,78.21 56.53,78.21 57.53,78.21 58.53,78.21 53.53,79.11 54.53,79.11 55.53,79.11 56.53,79.11 57.53,79.11 55.03,79.91 56.53,79.91 55.03,81.21
  other v2: 2,2 6,2 10,2 14,2 18,2 22,2 26,2 30,2 34,2 38,2 42,2 82,2 86,2 94,2 49.73,4.91 2,6 10,6 14,6 18,6 22,6 26,6 30,6 34,6 38,6 86,6 94,6 77.73,7.91 43.73,8.91 46.73,8.91 79.73,9.91 10,10 14,10 18,10 22,10 26,10 30,10 34,10 90,10 94,10 41.73,11.91 81.73,11.91 2,14 6,14 10,14 26,14 30,14 38,14 94,14 78,14.5 78,16.5 80,16.5 2,18 14,18 18,18 22,18 26,18 34,18 38,18 80,18 94,18 73.73,19.91 75.73,19.91 77.73,19.91 73.73,21.91 75.73,21.91 2,22 14,22 18,22 22,22 30,22 34,22 38,22 94,22 2,26 14,26 18,26 26,26 30,26 34,26 38,26 90,26 94,26 73.98,26.91 75.88,26.91 77.78,26.91 81,28 85,28 2,30 14,30 18,30 22,30 26,30 34,30 38,30 90,30 94,30 51,31 55,31 59,31 63,31 67,31 71,31 75,31 79,31 83,31 63,33 67,33 71,33 77,33 81,33 85,33 2,34 14,34 26,34 90,34 94,34 21.755,37.235 2,38 90,38 94,38 2,42 94,42 78,44 2,46 78,46 80,46 94,46 2,50 18,50 94,50 82,53 2,54 90,54 94,54 19.08,54.61 16.88,54.66 17.98,54.66 80,55 85,55 78,57 83,57 63.93,57.61 65.93,57.61 67.93,57.61 70.48,57.61 72.38,57.61 74.28,57.61 25.33,57.91 2,58 30,58 34,58 90,58 94,58 76,59 81,59 74,61 79,61 2,62 30,62 34,62 90,62 94,62 63.8,62.5 66.8,62.5 69.8,62.5 77,63 16.88,63.41 17.98,63.41 19.08,63.41 25.33,63.91 2,66 30,66 38,66 42,66 94,66 86.48,67.56 79.68,67.61 2,70 18,70 34,70 38,70 42,70 94,70 79,71 81,72 79,73 2,74 38,74 81,74 94,74 79,75 79,77 2,78 6,78 10,78 14,78 18,78 22,78 26,78 40,78 45,78 90,78 94,78 42,80 45,80 10,82 14,82 22,82 26,82 30,82 44,82 46,82 86,82 94,82 73.83,84.91 75.73,84.91 77.63,84.91 2,86 6,86 10,86 14,86 18,86 22,86 26,86 30,86 34,86 82,86 86,86 94,86
  other v3: 40.93,13.81 41.83,13.81 42.83,13.81 43.73,13.81 40.93,14.71 42.83,14.71 41.821,14.719 43.721,14.719 40.93,15.61 41.83,15.61 42.83,15.61 43.73,15.61 40.93,16.51 41.83,16.51 42.83,16.51 43.73,16.51 68.03,37.81 69.03,37.81 70.03,37.81 40.93,43.61 41.83,43.61 42.83,43.61 43.73,43.61 40.93,44.51 41.821,44.519 42.83,44.51 43.721,44.519 40.93,45.41 41.83,45.41 42.83,45.41 43.73,45.41 40.93,46.31 41.83,46.31 42.83,46.31 43.73,46.31 68.03,67.61 69.03,67.61 70.03,67.61 40.93,73.41 41.83,73.41 42.83,73.41 43.73,73.41 40.93,74.31 41.821,74.319 42.83,74.31 43.721,74.319 40.93,75.21 41.83,75.21 42.83,75.21 43.73,75.21 40.93,76.11 41.83,76.11 42.83,76.11 43.73,76.11 76.63,77.71
  other v4: 67.83,21.31 68.73,21.31 69.63,21.31 70.53,21.31 71.43,21.31 72.33,21.31 67.83,22.31 68.73,22.31 69.63,22.31 70.53,22.31 71.43,22.31 72.33,22.31 66.93,25.41 67.83,25.41 68.73,25.41 69.63,25.41 70.53,25.41 71.43,25.41 67.83,52.11 68.73,52.11 69.63,52.11 70.53,52.11 71.43,52.11 72.33,52.11 66.03,53.01 66.93,53.01 67.83,53.01 68.73,53.01 69.63,53.01 70.53,53.01 71.43,53.01 72.33,53.01 66.03,53.91 66.93,53.91 67.83,53.91 68.73,53.91 69.63,53.91 70.53,53.91 71.43,53.91 72.33,53.91 66.93,54.81 67.83,54.81 68.73,54.81 69.63,54.81 70.53,54.81 71.43,54.81 67.83,81.91 68.73,81.91 69.63,81.91 70.53,81.91 71.43,81.91 72.33,81.91 66.03,82.81 66.93,82.81 67.83,82.81 68.73,82.81 69.63,82.81 70.53,82.81 71.43,82.81 72.33,82.81 66.03,83.71 66.93,83.71 67.83,83.71 68.73,83.71 69.63,83.71 70.53,83.71 71.43,83.71 72.33,83.71 66.93,84.61 67.83,84.61 68.73,84.61 69.63,84.61 70.53,84.61 71.43,84.61
  other v5: 18.6,81.6 17.9,82.6
NetC1_1: C1.1 IC1.5 Y1.1 | length 9.4
  Top Layer w0.254: C1.1@17.466,42.346 17.649,42.346 Y1.1@18.842,41.154 19.476,41.154 19.932,41.61 20.73,41.61 21.43,40.91 24.255,40.91 IC1.5@25.427,42.082
NetC2_1: C2.1 IC1.6 Y1.3 | length 10.7
  Top Layer w0.254: C2.1@17.066,37.074 18.418,38.425 Y1.3@18.418,38.466 19.051,38.466 19.14,38.555 19.185,38.51 21.43,38.51 23.43,40.51 24.562,40.51 IC1.6@25.78,41.728
NetC3_1: C3.1 IC1.7 | length 3.4
  Top Layer w0.254: C3.1@23.694,39.146 23.906,39.146 IC1.7@26.134,41.374
NetC15_2: C15.2 D2.2 U1.30 | length 11.4
  Top Layer w0.4: D2.2@53.13,25.36 55.105,25.36 C15.2@55.255,25.21 55.255,25.335 56.43,26.51 58.43,26.51 59.905,25.035 U1.30@59.905,21.71